# Allegro board BeagleBone_Black_RevB3_NO_LOGO.brd (continued)
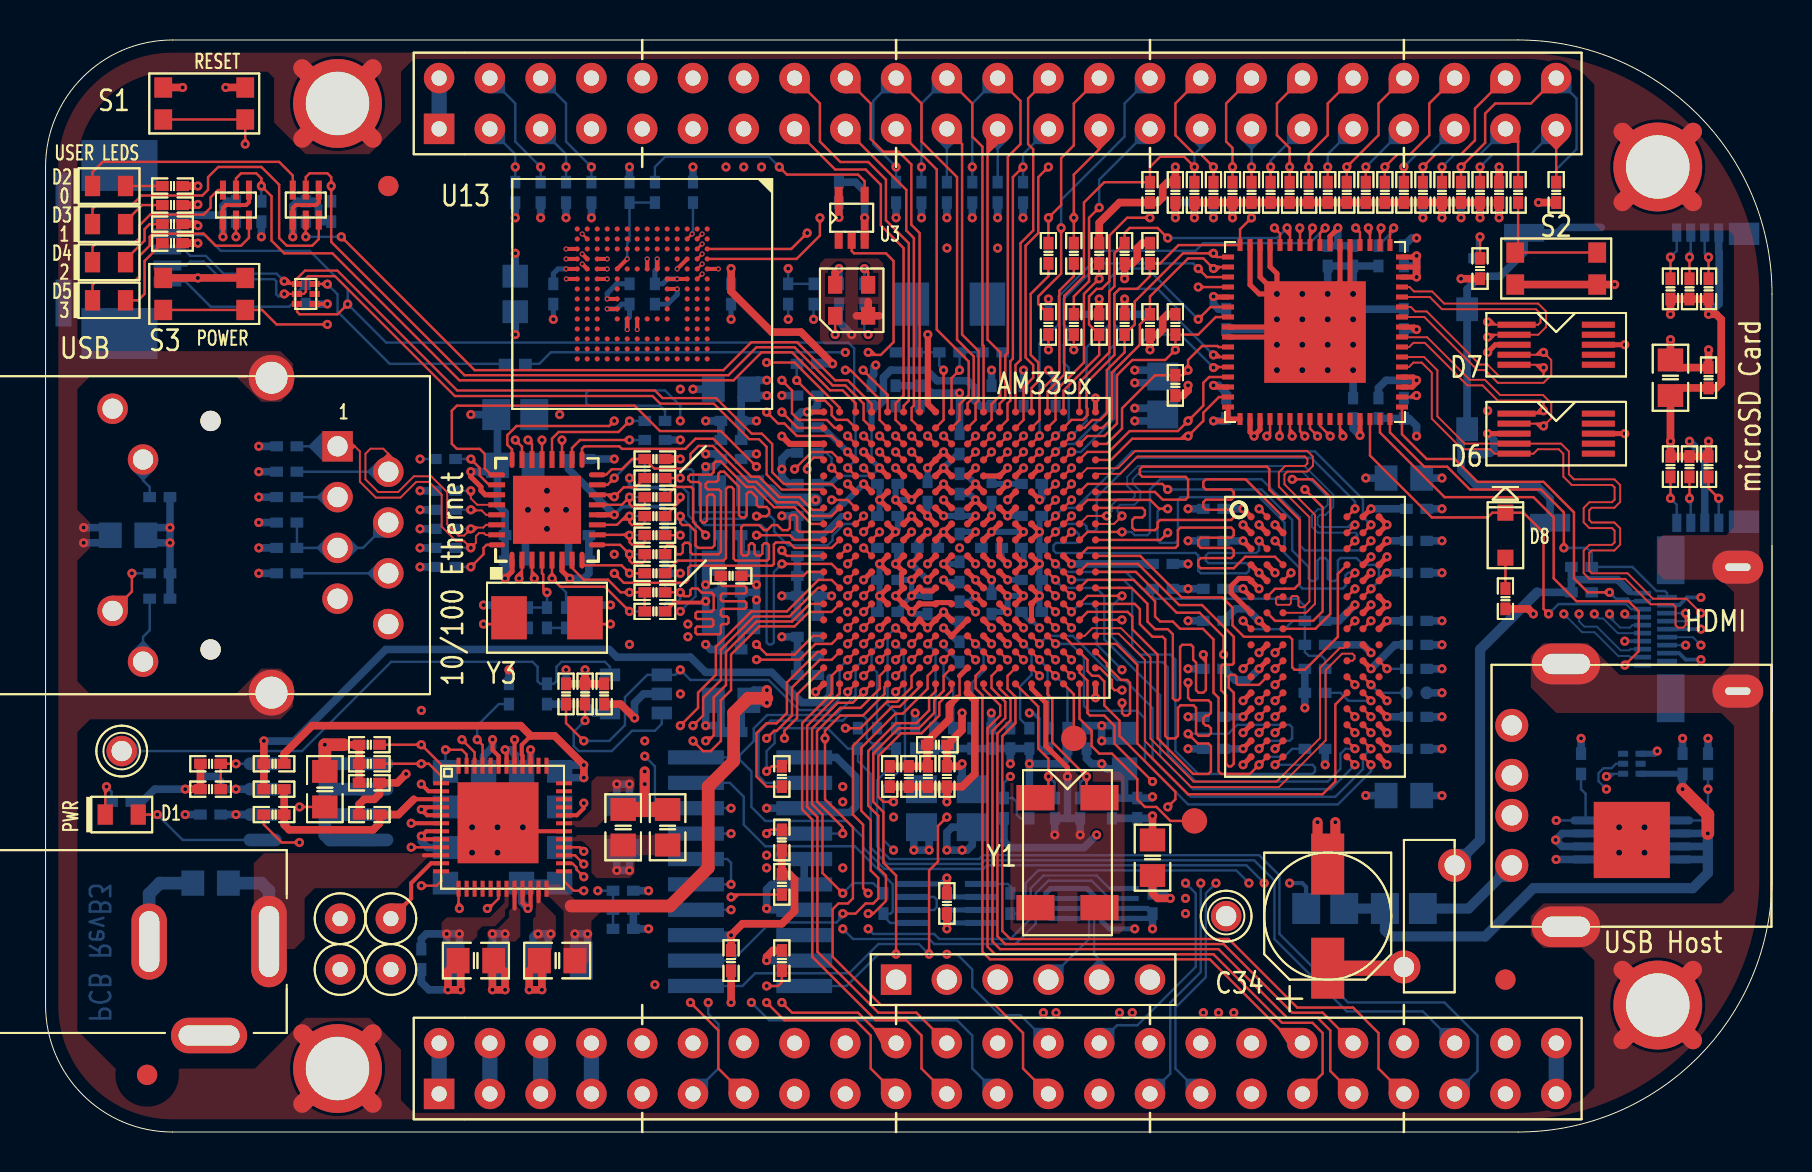
[diagram p0: board, top side]
## Nets (continued)
I2C0_SDA: R4.2 U2.27(SDA) U5.C17(I2C0_SDA/TIMER4/UART2_CTSN/ECAP) U7.3(SDA) U11.51(CSDA)
I2C1_SCL: P9.17(9) U5.A16(SPI0_CS0/MMC2_SDWP/I2C1_SCL/EHR)
I2C1_SDA: P9.18(34) U5.B16(SPI0_D1/MMC1_SDWP/I2C1_SDA/EHRP)
I2C2_SCL: P9.19(10) U5.D17(UART1_RTSN/TIMER5/DCAN0_RX/I2C2)
I2C2_SDA: P9.20(35) U5.D18(UART1_CTSN/TIMER6/DCAN0_TX/I2C2)
JTAG_EMU0: P2.13(EMU0) R23.2 U5.C14(EMU0/GPIO3_7)
JTAG_EMU1: P2.14(EMU1) R24.2 U5.B14(EMU1/GPIO3_8)
JTAG_TCK: P2.9(TCKRTN) P2.11(TCK) U5.A12(TCK)
JTAG_TDI: P2.3(TDI) U5.B11(TDI)
JTAG_TDO: P2.7(TDO) U5.A11(TDO)
JTAG_TMS: P2.1(TMS) U5.C11(TMS)
JTAG_TRSTN: P2.2(TRSTN) R25.1 U5.B10(NTRST)
LCD_DATA0: C173.1 P8.45(23) R70.2 R95.1 U5.R1(LCD_DATA0/GPMC_A0//EHRPWM2A//PR) U11.15(VPC3)
LCD_DATA1: C171.1 P8.46(48) R69.2 R94.1 U5.R2(LCD_DATA1/GPMC_A1//EHRPWM2B//PR) U11.13(VPC4)
LCD_DATA2: C172.1 P8.43(22) R68.2 R75.1 R93.1 U5.R3(LCD_DATA2/GPMC_A2//EHRPWM2_TRIP) U11.12(VPC5)
LCD_DATA3: C170.1 P8.44(47) R67.2 R92.1 U5.R4(LCD_DATA3/GPMC_A3//EHRPWM2_SYNC) U11.11(VPC6)
LCD_DATA4: C169.1 P8.41(21) R66.2 R91.1 U5.T1(LCD_DATA4/GPMC_A4//EQEP2A_IN//P) U11.10(VPC7)
LCD_DATA5: C163.1 P8.42(46) R65.2 R90.1 U5.T2(LCD_DATA5/GPMC_A5//EQEP2B_IN//P) U11.7(VPB2)
LCD_DATA6: C162.1 P8.39(20) R64.2 R89.1 U5.T3(LCD_DATA6/GPMC_A6/PR1_EDIO_DATA) U11.6(VPB3)
LCD_DATA7: C161.1 P8.40(45) R63.2 R88.1 U5.T4(LCD_DATA7/GPMC_A7/PR1_EDIO_DATA) U11.3(VPB4)
LCD_DATA8: C160.1 P8.37(19) R62.2 R87.1 U5.U1(LCD_DATA8/GPMC_A12/EHRPWM1_TRIP) U11.2(VPB5)
LCD_DATA9: C157.1 P8.38(44) R61.2 R86.1 U5.U2(LCD_DATA9/GPMC_A13/EHRPWM1_SYNC) U11.1(VPB6)
LCD_DATA10: C156.1 P8.36(43) R60.2 R85.1 U5.U3(LCD_DATA10/GPMC_A14/EHRPWM1A/MC) U11.64(VPB7)
LCD_DATA11: C168.1 P8.34(42) R59.2 R84.1 U5.U4(LCD_DATA11/GPMC_A15/EHRPWM1B/MC) U11.60(VPA3)
LCD_DATA12: C167.1 P8.35(18) R58.2 R83.1 U5.V2(LCD_DATA12/GPMC_A16/EQEP1A_IN/M) U11.59(VPA4)
LCD_DATA13: C166.1 P8.33(17) R57.2 R82.1 U5.V3(LCD_DATA13/GPMC_A17/EQEP1B_IN/M) U11.58(VPA5)
LCD_DATA14: C165.1 P8.31(16) R56.2 R81.1 U5.V4(LCD_DATA14/GPMC_A18/EQEP1_INDEX) U11.57(VPA6)
LCD_DATA15: C164.1 P8.32(41) R55.2 R80.1 U5.T5(LCD_DATA15/GPMC_A19/EQEP1_STROB) U11.56(VPA7)
LCD_DE: P8.30(40) R48.2 U11.20(DE/VREF)
LCD_HSYNC: P8.29(15) R47.2 U11.22(HSYNC/VREF)
LCD_PCLK: P8.28(39) R45.2 U11.4(PCLK)
LCD_VSYNC: P8.27(14) R46.2 U11.21(VSYNC/VREF)
LCDDE: R48.1 U5.R6(LCD_AC_BIAS_EN/GPMC_A11//PR1_ED)
LCDPCLK: R45.1 U5.V5(LCD_PCLK/GPMC_A10//PR1_EDIO_DAT)
LCDVHYNC: R47.1 U5.R5(LCD_HSYNC/GPMC_A9//PR1_EDIO_DAT)
LCDVSYNC: R46.1 U5.U5(LCD_VSYNC/GPMC_A8//PR1_EDIO_DAT)
LDO_PGOOD: U2.46(LDO_PGOOD) U5.B5(RTC_PORZN)
LEDAA: D2.2(A) R72.2
LEDAC: D2.1(C) Q1.6(3)
LEDBA: D3.2(A) R73.2
LEDBC: D3.1(C) Q1.3
LEDCA: D4.2(A) R74.2
LEDCC: D4.1(C) Q2.6(3)
LEDDA: D5.2(A) R71.2
LEDDC: D5.1(C) Q2.3
MDIO_CLK: U5.M18(MDIO_CLK/TIMER5/UART5_TXD/UART3) U14.17(MDC)
MDIO_DATA: R119.2 U5.M17(MDIO_DATA/TIMER6/UART5_RXD/UART) U14.16(MDIO)
MII1_COL: R138.1 U5.H16(GMII1_COL/RMII2_REFCLK/SPI1_SCL)
MII1_CRS_DV: R139.1 U5.H17(GMII1_CRS/RMII1_CRS_DV/SPI1_D0/)
MII1_REFCLK: R28.2 R124.1 R140.1
MII1_RXCLK: R131.1 U5.L18(GMII1_RXCLK/UART2_TXD/RGMII1_RC)
MII1_RXD0: R128.1 U5.M16(GMII1_RXD0/RMII1_RXD0/RGMII1_RD)
MII1_RXD1: R127.1 U5.L15(GMII1_RXD1/RMII1_RXD1/RGMII1_RD)
MII1_RXD2: R126.1 U5.L16(GMII1_RXD2/UART3_TXD/RGMII1_RD2)
MII1_RXD3: R125.1 U5.L17(GMII1_RXD3/UART3_RXD/RGMII1_RD3)
MII1_RXDV: R129.1 U5.J17(GMII1_RXDV/LCD_MEMORY_CLK/RGMII)
MII1_RXERR: R133.1 U5.J15(GMII1_RXERR/RMII1_RXERR/SPI1_D1)
MII1_TXCLK: R134.1 U5.K18(GMII1_TXCLK/UART2_RXD/RGMII1_TC)
MII1_TXD0: U5.K17(GMII1_TXD0/RMII1_TXD0/RGMII1_TD) U14.22(TXD0)
MII1_TXD1: U5.K16(GMII1_TXD1/RMII1_TXD1/RGMII1_TD) U14.23(TXD1)
MII1_TXD2: U5.K15(GMII1_TXD2/DCAN0_RX/RGMII1_TD2/) U14.24(TXD2)
MII1_TXD3: U5.J18(GMII1_TXD3/DCAN0_TX/RGMII1_TD3/) U14.25(TXD3)
MII1_TXEN: U5.J16(GMII1_TXEN/RMII1_TXEN/RGMII1_TC) U14.21(TXEN)
MMC0_CD: P2.19(EMU4) P10.10(CD) R157.1 U5.C15(SPI0_CS1/UART3_RXD/ECAP1_IN_PWM)
MMC0_CLKO: P10.5(CLOCK) R152.2 U5.G17(MMC0_CLK/GPMC_A24/UART3_CTSN/UA)
MMC0_CMD: P10.3(CMD) R151.2 U5.G18(MMC0_CMD/GPMC_A25/UART3_RTSN/UA)
MMC0_DAT0: P10.7(DAT0) R153.2 U5.G16(MMC0_DAT0/GPMC_A23/UART5_RTSN/U)
MMC0_DAT1: P10.8(DAT1) R154.2 U5.G15(MMC0_DAT1/GPMC_A22/UART5_CTSN/U)
MMC0_DAT2: P10.1(DAT2) R150.2 U5.F18(MMC0_DAT2/GPMC_A21/UART4_RTSN/T)
MMC0_DAT3: P10.2(CD/DAT3) R155.2 U5.F17(MMC0_DAT3/GPMC_A20/UART4_CTSN/T)
MMC1_CLK: P8.21(11) R110.2 U5.U9(GPMC_CSN1/GPMC_CLK/MMC1_CLK/PRT) U13.M6(CLK)
MMC1_CMD: P8.20(35) R109.2 U5.V9(GPMC_CSN2/GPMC_BE1N/MMC1_CMD/PR) U13.M5(CMD)
MMC1_DAT0: P8.25(13) R101.2 U5.U7(GPMC_AD0/MMC1_DAT0//////GPIO1_0) U13.A3(DAT0)
MMC1_DAT1: P8.24(37) R102.2 U5.V7(GPMC_AD1/MMC1_DAT1//////GPIO1_1) U13.A4(DAT1)
MMC1_DAT2: P8.5(3) R103.2 U5.R8(GPMC_AD2/MMC1_DAT2//////GPIO1_2) U13.A5(DAT2)
MMC1_DAT3: P8.6(28) R104.2 U5.T8(GPMC_AD3/MMC1_DAT3//////GPIO1_3) U13.B2(DAT3)
MMC1_DAT4: P8.23(12) R105.2 U5.U8(GPMC_AD4/MMC1_DAT4//////GPIO1_4) U13.B3(DAT4)
MMC1_DAT5: P8.22(36) R106.2 U5.V8(GPMC_AD5/MMC1_DAT5//////GPIO1_5) U13.B4(DAT5)
MMC1_DAT6: P8.3(2) R107.2 U5.R9(GPMC_AD6/MMC1_DAT6//////GPIO1_6) U13.B5(DAT6)
MMC1_DAT7: P8.4(27) R108.2 U5.T9(GPMC_AD7/MMC1_DAT7//////GPIO1_7) U13.B6(DAT7)
MODE2: R113.1 R138.2 U14.15(COL/CRS_DV/MODE2)
OSC0_IN: C25.1 R17.1 U5.V10(OSC0_IN) Y2.2
OSC0_OUT: C26.1 R17.2 U5.U11(OSC0_OUT) Y2.1
OSC1_IN: C21.2 U5.A6(OSC1_IN) Y1.1
OSC1_OUT: C22.2 U5.A4(OSC1_OUT) Y1.4
P_BYPASS: C4.2 U2.47(BYPASS)
P_INT_LDO: C3.2 U2.48(INT_LDO)
P_L1: L1.1 U2.20(L1)
P_L2: L2.1 U2.23(L2)
P_L3: L3.1 U2.31(L3)
PHY_VDDCR: C134.1 C136.1 U14.6(VDDCR)
PHY_XTAL1: C143.1 R141.2 R142.1 Y3.1
PHY_XTAL2: R141.1 R143.1 U14.4(XTAL2)
PHYX: C142.1 R143.2 Y3.2
PMIC_INT: R1.2 U2.45(INT) U5.B18(NNMI)
PMIC_PGOOD: U2.26(PGOOD) U5.B15(PORZN)
PMIC_POWR_EN: U2.9(PWR_EN) U5.C6(PMIC_POWER_EN)
PROC_A15: R18.1 U5.A15(EVENT_INTR0/TIMER4/CLKOUT1/SPI1)
PWR_BUT: P9.9(5) S3.2(B1) S3.4(B2) U2.25(PB_IN)
PWR_LEDR: D1.1(C) R12.2
RBIAS: R144.1 U14.32(RBIAS)
RCLKIN: R140.2 R142.2 U14.5(XTAL1/CLKIN)
REFCLKO: R118.1 R124.2 R131.2 U14.7(RXCLK/PHYAD1)
RXD0/MODE0: R112.1 R128.2 U14.11(RXD0/MODE0)
RXD1/MODE1: R114.1 R127.2 U14.10(RXD1/MODE1)
RXD2/RMIISEL: R117.1 R126.2 U14.9(RXD2/RMIISEL)
RXD3/PHYAD2: R116.1 R125.2 U14.8(RXD3/PHYAD2)
RXDV: R129.2 U14.26(RXDV)
RXER/PHYAD0: R115.1 R133.2 U14.13(RXER/RXD4/PHYAD0)
RXN: C138.1 P5.2(RD-) R121.1 U14.30(RXN)
RXP: C137.1 P5.1(RD+) R120.1 U14.31(RXP)
SPI1_CS0: P9.28(39) U5.C12(MCASP0_AHCLKR/EHRPWM0_SYNCI_O/M) U11.25(AP1)
SPI1_D0: P9.29(15) U5.B13(MCASP0_FSX/EHRPWM0B//SPI1_D0/MM) U11.24(AP0)
SPI1_D1: P9.30(40) U5.D12(MCASP0_AXR0/EHRPWM0_TRIPZONE_IN)
SPI1_SCLK: P9.31(16) U5.A13(MCASP0_ACLKX/EHRPWM0A//SPI1_SCL) U11.23(ACLK)
SYS_5V: C7.2 C8.2 C10.2 C13.2 C17.1 C34.1 P9.7(4) P9.8(29) R71.1 R72.1 R73.1 R74.1 RT1.1 U2.2(VINLDO) U2.7(SYS1) U2.8(SYS2) U2.21(VIN_DCDC1) U2.22(VIN_DCDC2) U2.32(VIN_DCDC3) U2.39(LDO3_IN) U2.42(LDO4_IN) U4.2(IN) U8.2(IN1) U8.3(IN2)
SYS_RESETN: C24.1 C30.1 P2.15(SRST) P9.10(30) R14.2 S1.2(B1) S1.4(B2) U5.A10(NRESET_INOUT) U14.19(NRST)
TCT_RCT: C141.1 P5.4(RCT) P5.5(TCT) R137.1
TESTOUT: TP3.1(TP) U5.A3(TESTOUT)
TIMER4: P8.7(4) U5.R7(GPMC_ADVN_ALE/TIMER4/GPIO2_2)
TIMER5: P8.9(5) U5.T6(GPMC_BE0N_CLE/TIMER5/GPIO2_5)
TIMER6: P8.10(30) U5.U6(GPMC_WEN/TIMER6/GPIO2_4)
TIMER7: P8.8(29) U5.T7(GPMC_OEN_REN/TIMER7/EMU4/GPIO2_)
TXCLK: R134.2 U14.20(TXCLK)
TXN: C140.1 P5.6(TD-) R123.1 U14.28(TXN)
TXP: C139.1 P5.3(TD+) R122.1 U14.29(TXP)
U5_H18: R28.1 U5.H18(RMII1_REFCLK/XDMA_EVENT_INTR2/S)
U5_R13: R160.1 U5.R13(GPMC_A0/GMII2_TXEN/RGMII2_TCTL/)
U5_T13: R161.1 U5.T13(GPMC_CSN3/MMC2_CMD/PR1_MDIO_DAT)
UART0_RX: U5.E15(UART0_RXD/SPI1_CS0/DCAN0_TX/I2C) U15.6(1Y)
UART0_TX: U5.E16(UART0_TXD/SPI1_CS1/DCAN0_RX/I2C) U15.5(2A)
UART1_RXD: P9.26(38) U5.D16(UART1_RXD/MMC1_SDWP/DCAN1_TX/I2)
UART1_TXD: P9.24(37) U5.D15(UART1_TXD/MMC2_SDWP/DCAN1_RX/I2)
UART2_RXD: P9.22(36) U5.A17(SPI0_SCLK/UART2_RXD/I2C2_SDA/EH)
UART2_TXD: P9.21(11) U5.B17(SPI0_D0/UART2_TXD/I2C2_SCL/EHRP)
UART4_RXD: P9.11(6) U5.T17(GPMC_WAIT0/GM112_CRS/GPMC_CSN4/)
UART4_TXD: P9.13(7) U5.U17(GPMC_WPN/GMII2_RXERR/GPMC_CSN5/)
USB0_DM: P4.2(D-) U5.N18(USB0_DM) U10.2(D-)
USB0_DP: P4.3(D+) U5.N17(USB0_DP) U10.1(D+)
USB0_ID: P4.4(ID) U5.P16(USB0_ID) U10.3(ID)
USB1_DM: P3.2(P2) U5.R18(USB1_DM) U9.2(D-)
USB1_DP: P3.3(P3) U5.R17(USB1_DP) U9.1(D+)
USB1_DRVVBUS: R53.1 U5.F15(USB1_DRVVBUS/GPIO3_13) U8.4(EN)
USB1_ID: R49.2 U5.P17(USB1_ID)
USB1_OCN: R52.2 U5.T16(GPMC_A10/GMII2_RXD1/RGMII2_RD1/) U8.5(O\C\)
USB1_PWR: C35.1 FB7.1 FB8.2 U8.6(OUT3) U8.7(OUT2) U8.8(OUT1) U9.6(VBUS)
USB1_VBUS: FB8.1 U5.T18(USB1_VBUS)
USB_DC: C1.2 C36.1 P4.1(VB) R159.1 U2.12(USB) U10.6(VBUS)
USR0: Q1.2(5) R76.1 U5.V15(GPMC_A5/GMII2_TXD0/RGMII2_TD0/R)
USR1: Q1.5 R77.1 U5.U15(GPMC_A6/GMII2_TXCLK/RGMII2_TCLK)
USR2: Q2.2(5) R78.1 U5.T15(GPMC_A7/GMII2_RXCLK/RGMII2_RCLK)
USR3: Q2.5 R79.1 U5.V16(GPMC_A8/GMII2_RXD3/RGMII2_RD3/M)
VDCDC1: L1.2 R6.1 U2.19(VDCDC1)
VIO: R7.2 U2.18(VIO)
VLDO1: R5.1 R7.1 R8.1 U2.3(VLDO1)
VREFP_ADC: C31.1 C32.1 C33.1 R27.2 U5.B9(VREFP)
VRTC: C16.1 C105.1 R5.2 R26.1 U5.D7(VDDS_RTC)
WAKEUP: R26.2 U2.13(WAKEUP) U5.C5(EXT_WAKEUP)
WP: R156.2 TP4.1(TP) U7.5(WP)
XDMA_EVENT_INTR0: P2.17(EMU2) R18.2 U6.1(CLK)
YEL_C: P5.11(YELC) R130.2
YELA: P5.12(YELA) R135.1 U14.2(LED2/NINTSEL)
ZQ: R99.2 U12.L8(ZQ)
N21667305: R149.1 U11.49(TEST)
N21757673: C19.1 R10.1 R11.2 U4.4(ADJ)
N21769115: R75.2 S2.1(A1) S2.3(A2)
N22155575: R159.2 U5.P15(USB0_VBUS)
N22248684: R167.1 Y4.3(CLK)
N22248838: R21.1 U6.5(Q)
N22287501: R162.1 U3.4(Y)
N22287555: U3.2(A) U5.R14(GPMC_A4/GMII2_TXD1/RGMII2_TD1/R)
N22420400: TP5.1(TP) U2.4(BAT1) U2.5(BAT2)
N22420444: TP6.1(TP) U2.6(BAT_SENSE)
N22420447: TP7.1(TP) U2.11(TS)

Pads without a net: D6 6 7 9 10; D7 6 7 9 10; J1 2 3 6; NOREF#7 1; NOREF#14 1; NOREF#22 1; NOREF#26 1; NOREF#27 1; NOREF#29 1; P1 3; P2 6; P5 7; P6 2; U2 14 15 16 17 33 34 35 36 37 38 44; U3 1; U5 E17 E18 F16 M5 M15 P18; U9 3 5; U10 5; U11 26 28; U12 J1 J9 L1 L9; U13 A1 A2 A6 A7 A8 A9 A10 A11 A12 A13 A14 B1 B7 B8 B9 B10 B11 B12 B13 B14 C1 C3 C5 C7 C8 C9 C10 C11 C12 C13 C14 D1 D2 D3 D4 D12 D13 D14 E1 E2 E3 E5 E8 E9 E10 E12 E13 E14 F1 F2 F3 F10 F12 F13 F14 G1 G2 G3 G10 G12 G13 G14 H1 H2 H3 H5 H12 H13 H14 J1 J2 J3 J5 J12 J13 J14 K1 K2 K3 K6 K7 K10 K12 K13 K14 L1 L2 L3 L12 L13 L14 M1 M2 M3 M7 M8 M9 M10 M11 M12 M13 M14 N1 N3 N6 N7 N8 N9 N10 N11 N12 N13 N14 P1 P2 P7 P8 P9 P10 P11 P12 P13 P14; Y1 2 3

## Via types
v1: diameter 0.457, hole 0.203, TOP to BOTTOM, 794 vias
v2: diameter 0.254, hole 0.152, TOP to BOTTOM, 27 vias
v3: diameter 0.559, hole 0.305, TOP to BOTTOM, 30 vias

## Routing (per net, layer and track width the routed paths; a pad name or vN(x,y) marks a point on that pad's centre or on a via; arc(x,y) is an arc through that point)
DGND: length 478.6
  TOP w0.121: U13.N2 v2(26.85,44.91)
  TOP w0.191: U10.4 v1(14.1,41.41) ; R118.2 31.43,26.48 32.95,26.48 v1(33.02,26.54)
  TOP w0.203: Q1.4 13.67,46.5 13.53,46.35 12.51,46.35 12.37,46.21 Q1.1 v1(12.37,44.77) ; U13.P6 v2(26.05,42.66) ; U13.K8 v2(28.09,41.66) ; U13.C4 v2(31.6,43.16) ; v1(8.88,44.77) Q2.1 8.88,46.21 9.02,46.35 10.03,46.35 10.17,46.5 Q2.4 ; U2.41 v1(23.46,19.62) ; U13.H10 v2(29.6,40.13) ; U13.E7 v2(31.6,42.16) ; v2(26.04,43.66) U13.P4 ; U2.30 24.46,15.04 24.26,15.24 v3(23.88,15.24) ; U13.N5 v2(26.85,43.41) ; U13.G5 v2(30.09,43.66)
  TOP w0.254: U12.D1 v1(60.7,27.97) U12.E2 ; U5.N10 v1(44.92,32.41) U5.N11 ; v1(66.3,27.97) U12.E8 ; U5.H9 v1(46.52,27.61) U5.G8 ; U5.K7 U5.J7 v1(48.12,28.41) ; U11.19 60.75,35.12 60.45,34.82 v1(60.45,34.8) 60.25,35 U11.18 ; U5.N14 v1(41.72,31.61) U5.M14 ; v1(67.1,19.96) U12.P9 ; v1(67.1,21.56) U12.M9 ; U11.63 60.25,42.37 60.71,41.91 v3(61.59,41.91) ; D7.3 72.52,39.37 v1(72.14,38.99) ; v1(47.32,27.61) U5.H8 ; U5.G9 v1(46.52,26.81) U5.F8 ; v1(61.5,30.37) U12.B3 ; v3(65.41,41.91) 65.25,42.06 U11.53 ; v1(43.32,26.81) U5.G12 43.88,27.05 44.36,27.05 U5.G11 ; U5.H6 v1(48.92,28.41) U5.J6 ; U5.H10 v1(44.92,28.41) U5.J10 ; v1(60.7,23.96) U12.J2 ; v3(61.59,40.64) 61.21,40.25 U11.8 ; U12.A9 v1(67.1,30.37) U12.B9 ; U11.16 59.15,35.65 ; 59.15,35.65 59.05,35.56 v1(58.42,35.56) ; 59.15,35.65 U11.17 ; U5.M7 v1(48.12,30.81) U5.M6 ; U5.L11 v1(44.12,30.81) U5.M12 ; v1(44.92,30.01) U5.K10 ; v1(44.92,30.01) U5.L10 ; v1(44.92,30.01) U5.K11 ; v3(61.59,41.91) 61.59,42.93 61.25,43.27 U11.61 ; v3(61.59,41.91) 60.75,42.76 U11.62 ; U11.54 64.75,42.52 v3(64.14,41.91) ; v1(59.9,21.56) U12.M1 ; v1(59.9,19.96) U12.P1 ; v1(66.3,26.37) U12.G8 ; D6.3 v1(72.14,34.92) ; v1(66.3,28.77) U12.D8 ; v1(46.52,30.01) U5.K9 ; U5.L13 v1(43.32,30.81) U5.L12 ; v1(66.3,23.96) U12.J8 ; U5.A18 v1(38.52,22.01) ; v1(59.9,18.36) U12.T1 ; v1(44.92,31.61) U5.M10 ; v3(61.59,39.37) 61.21,39.76 U11.9 ; v1(48.12,32.41) U5.N7 ; v1(43.32,27.61) U5.H12 ; v1(59.9,30.37) U12.B1 ; U5.V1 v1(52.52,36.7) ; v1(46.52,28.41) U5.J9 ; U5.M8 v1(46.52,31.61) U5.M9 ; U12.G1 59.31,26.96 59.31,27.3 59.69,27.69 60.18,27.69 U12.E1 v1(60.7,27.17) ; v1(67.1,18.36) U12.T9 ; D7.8 v1(78.99,39.37) ; v1(47.32,28.41) U5.J8 ; U5.V18 v1(38.1,36.01) ; U5.A1 v1(52.52,21.72) ; U5.H7 v1(48.12,27.61) ; U5.J11 v1(44.12,28.41) ; U12.G9 v1(67.1,26.37) U12.F9 ; D6.8 v1(78.99,34.92)
  TOP w0.381: S1.3 v1(6.86,52.24) ; S1.1 v1(9.02,52.24) ; C27.2 v1(45.09,12.7) ; v1(56.52,48.26) C57.1 56.13,47.5 55.88,47.24 55.88,46.74 55.63,46.48 C165.2 53.72,46.48 52.7,45.47 C168.2 ; C169.2 56.9,36.83 57.15,37.08 v1(57.15,37.34) ; v1(81.28,39.62) C153.2 81.66,38.23 C154.2 v1(83.19,39.12) ; v1(56.26,11.68) 55.63,11.68 C155.1 C96.1 ; C19.2 R10.2 v1(6.99,17.14) ; Y4.2 41.71,40.82 ; Y4.2 40.56,40.82 ; Y4.2 41.15,41.53 ; S2.4 S2.2 v1(78.49,42.38) ; 14.92,19.37 C3.1 C18.2 C16.2 ; v1(57.47,45.72) R81.2 R80.2 R84.2 ; R93.2 R94.2 R95.2 v1(71.75,45.72) ; R93.2 R92.2 R91.2 R90.2 R89.2 R88.2 R87.2 R86.2 R85.2 R83.2 R82.2 R84.2 ; R93.2 v1(69.85,45.72) ; R84.2 v1(59.37,45.72) ; U3.3 v1(40.97,45.72) ; C166.2 v1(52.7,41.66) ; C61.1 v1(72.71,48.26) ; v1(34.29,6.48) C29.2 ; C173.2 v1(74.68,46.48) ; v1(53.98,41.66) C157.2 ; v1(36.07,8.57) 36.07,8.76 36.39,9.08 R25.2 ; S3.3 v1(7.62,42.71) S3.1 ; v1(55.24,39.12) C160.2 55.63,39.88 55.88,40.13 55.88,40.64 56.13,40.89 C163.2 ; C37.2 28.77,21.4 v1(29.46,20.7) ; C156.2 54.86,44.45 54.61,44.2 54.61,43.69 54.36,43.43 C167.2 v1(53.98,42.67) ; v1(24.19,7.11) 24.19,8.06 C12.1 24.83,8.45 v1(24.83,7.11) v1(24.19,7.11) ; 22.99,8 C9.1 22.35,8.51 v1(22.35,7.11) v1(22.99,7.11) 22.99,8
  TOP w0.508: 29.97,16.13 v1(29.97,17.4) v1(29.97,18.03) ; v1(64.52,15.49) 64.52,13.78 C34.2 63.63,13.91 v1(63.63,15.49)
  TOP w0.635: C1.1 v1(13.97,19.37) 14.92,19.37
  TOP w0.762: C55.1 C11.1
  LYR2_GND w0.889: 74.83,2.64 P9.45 76.3,2.64 ; 74.83,3.71 P9.46 ; P9.46 76.3,5.18 ; P9.46 74.83,5.18 ; P9.46 76.3,3.71 ; 18.95,5.18 P9.2 ; P9.2 20.42,3.71 ; P9.2 20.42,5.18 ; P9.2 18.95,3.71 ; 4.09,9.53 P1.2 ; P1.2 5.18,7.42 ; P1.2 6.27,9.53 ; P1.2 5.18,11.63 ; 73.76,2.64 P9.43 72.29,2.64 ; 16.54,8.86 TP8.1 ; TP8.1 18.01,7.39 ; TP8.1 18.01,8.86 ; TP8.1 16.54,7.39 ; P5.8 17.88,26.13 ; P5.8 17.88,24.67 ; P5.8 16.41,24.67 ; P5.8 16.41,26.13 ; P8.1 20.65,51.13 ; P8.1 18.72,49.2 ; P8.1 18.72,51.13 ; P8.1 20.65,49.2 ; TP1.1 59.79,10.06 ; TP1.1 59.79,11.53 ; TP1.1 58.32,11.53 ; TP1.1 58.32,10.06 ; P3.4 74.12,19.56 ; P3.4 74.12,21.11 ; P3.4 72.56,21.11 ; P3.4 72.56,19.56 ; P9.44 73.76,3.71 ; P9.44 73.76,5.18 ; P9.44 72.29,5.18 ; P9.44 72.29,3.71 ; 18.72,2.87 P9.1 20.65,2.87 ; 18.95,51.97 P8.2 20.42,51.97 ; 41.58,6.65 J1.1 ; J1.1 43.51,6.65 ; J1.1 41.58,8.59
  BOTTOM w0.191: P6.13 79.16,25.75 v1(78.99,25.91) ; v1(82.8,26.73) 82.11,26.73 81.72,26.35 P6.16 ; R115.2 30.99,32.1 30.86,32.23 29.34,32.23 29.21,32.35 v1(29.21,32.7) ; v1(82.8,23.62) 82.04,23.62 81.72,23.95 P6.4 ; v1(44.92,24.41) 44.92,24.3 45.71,23.5 C88.2 ; P6.10 v1(82.8,25.15) ; P6.7 v1(78.99,24.55)
  BOTTOM w0.203: v1(49.72,25.21) 49.43,25.5 49.26,25.5 48.81,25.94 C100.2
  BOTTOM w0.254: U15.1 50.28,10.68 50.04,10.92 50.04,11.94 50.28,12.18 U15.4 52.08,12.18 52.83,11.43 52.83,10.54 53.21,10.16 v1(54.48,10.16) ; v1(45.09,12.7) 44.79,12.41 U6.4 ; C127.2 v1(25.4,40.64) ; v1(56.26,11.68) 56.01,11.94 C155.1 ; v2(28.09,41.66) 28.09,41.94 28.57,42.42 C128.2 ; C130.2 v1(34.29,40.64) ; v2(31.6,42.16) 31.6,41.88 31.11,41.4 C129.2 ; C70.1 42.63,26.12 v1(43.32,26.81) v1(43.32,27.61)
  BOTTOM w0.305: v1(48.92,28.41) 48.92,29.1 C98.2 ; C42.2 46.23,31.9 v1(46.52,31.61) ; v1(46.52,30.01) 45.83,30.01 C47.2 ; C46.2 44.63,29.72 v1(44.92,30.01) ; U9.4 80.48,18.91 v1(80.62,19.05) ; v1(48.12,28.41) 47.83,28.7 C48.2 ; C60.1 v1(43.32,27.61) ; C49.2 45.58,28.41 v1(44.92,28.41) ; C66.2 41.72,30.92 v1(41.72,31.61) 41.72,32.3 C41.2 ; C73.1 v1(48.12,32.41) 47.43,32.41 C43.2 ; C63.2 44.01,26.81 v1(43.32,26.81) ; C50.2 v1(47.32,27.61) ; C94.2 v1(44.12,30.81) ; C72.1 46.23,26.52 v1(46.52,26.81) ; v1(48.12,30.81) C97.2 ; C99.2 v1(48.12,27.61)
  BOTTOM w0.381: C138.2 v1(10.67,33.02) ; v1(14.1,41.41) 14.09,41.4 C36.2 ; v1(28.26,26.35) 27.11,26.35 C143.2 ; C133.1 24.38,32.45 24.77,32.07 v3(25.08,32.07) ; C52.2 33.78,28.07 C40.1 ; C52.2 33.02,26.99 ; C52.2 33.78,25.91 C39.1 ; C71.1 38.61,36.32 38.3,36.01 v1(38.1,36.01) 37.81,36.01 37.61,35.81 C86.2 ; C173.2 v1(74.68,46.48) ; v1(62.99,21.21) C124.2 R100.2 ; 33.02,26.99 v1(33.02,27.37) 33.02,28.07 C40.1 ; 33.02,26.99 v1(33.02,26.54) 33.02,25.91 C39.1 ; v3(24.13,31.11) 24,30.99 C132.2 ; C54.2 C44.2 ; C54.2 C79.2 C69.1 ; C54.2 v1(36.83,26.81) ; R132.1 v1(6.22,30.23) ; v1(6.22,30.23) 5.4,30.23 R136.1 5.4,29.46 v1(6.22,29.46) ; v1(6.22,30.23) v1(6.22,29.46) ; v3(65.41,40.64) 65.91,41.15 C150.2 ; v1(49.21,18.41) C104.2 C92.2 ; v1(49.21,18.41) 50.87,18.41 51.12,18.66 R54.1 ; v1(49.21,18.41) R164.2 ; C158.2 40.51,47.5 40.97,47.04 v1(40.97,45.72) ; P2.8 36.13,11.11 v1(36.07,11.18) 36.07,12.13 36.32,12.38 P2.10 P2.12 ; C61.1 v1(72.71,48.26) ; v3(61.59,40.64) 61.09,40.13 C144.2 ; v1(35.56,33.91) 35.05,33.91 C78.2 ; v1(53.98,41.66) C157.2 C172.2 ; C58.2 C106.2 43.96,37.32 44.32,36.96 v1(45.72,36.96) C56.1 ; C149.2 68.33,44.7 v1(68.58,44.7) ; 53.98,16.7 C95.1 53.09,18.16 v1(52.83,18.41) 52.32,18.41 52.07,18.67 C101.2 ; 53.98,16.7 C103.2 55.31,16.7 v1(55.37,16.76) ; 53.98,16.7 C102.2 ; 8.88,45.86 8.88,46.32 9.1,46.55 R78.2 ; 8.88,45.86 v1(8.88,44.77) ; 8.88,45.86 7.23,45.86 7.11,45.73 P4.5 ; R99.1 v1(69.85,21.96) ; C40.1 33.78,28.83 C51.2 ; 65.41,43.31 v3(65.41,41.91) ; 65.41,43.31 64.14,43.31 v3(64.14,41.91) ; 65.41,43.31 66.67,43.31 ; 33.78,20.33 33.78,21.21 C62.1 33.02,21.21 33.02,20.33 ; 33.78,20.33 C64.2 ; 33.78,20.33 33.02,20.33 ; R96.1 v1(69.85,23.16) ; C119.2 v1(69.85,24.36) ; C111.2 v1(57.15,23.16) ; P10.6 83,33.78 v1(82.23,34.54) ; C74.1 50.52,37.74 v1(50.16,38.1) ; v1(36.83,24.77) C82.2 C83.2 C85.2 ; C142.2 23.05,26.35 v1(21.91,26.35) ; C107.2 v1(57.15,31.17) ; C118.1 v1(69.85,32.7) ; C139.2 v1(10.67,31.75) ; C39.1 33.78,25.15 C53.2 33.27,24.13 v1(33.02,24.38) ; C35.2 v1(81.89,19.68) ; C57.1 v1(56.52,48.26) ; v1(41.53,38.35) 41.42,38.25 41.42,37.88 41.32,37.78 C80.2 ; C110.2 v1(57.15,25.57) ; R22.1 v1(57.15,28.41) ; C24.2 C30.2 v1(30.16,10.16) ; C126.1 v1(23.5,39.88) ; 33.02,20.33 v1(33.02,20.32) ; R145.2 v1(31.75,34.61) ; C159.2 39.69,40.51 v1(40.32,39.88) ; v1(29.46,20.7) 29.46,21.46 29.91,21.91 U7.2 ; C132.2 24.77,29.84 v3(25.08,30.16) 25.4,29.84 C136.2 C134.2 ; C132.2 C131.2 ; U8.1 v1(75.56,13.63) ; C123.2 U12.J8 v1(66.3,23.96) ; C115.2 v1(69.85,29.57) ; v1(52.7,41.66) C166.2 C161.2 ; C84.2 37.19,32.41 36.83,32.77 v1(36.83,33.15) 36.83,33.66 37.15,33.97 R49.1 ; R10.2 v1(6.99,17.14) 5.46,17.14 4.83,16.51 R12.1 ; C121.2 v1(69.85,19.16) ; C113.2 v1(57.15,19.16) ; C108.2 v1(57.15,29.57) ; C92.2 C105.2 C89.2 C91.2 C90.2 C59.2 ; C92.2 v1(48.26,18.41) ; C120.2 v1(69.85,20.76) ; v1(12.37,44.77) 12.37,46.32 12.6,46.55 R76.2 13.4,46.55 13.65,46.29 13.65,45.78 13.9,45.53 R77.2 ; v1(6.22,29.46) R130.1 R135.2 ; C151.2 R148.2 68.2,35.69 68.58,35.31 v1(68.58,34.8) ; C137.2 v1(10.67,34.29) ; v1(32.38,37.15) C77.2 ; v1(36.07,16.19) P2.16 38.01,16.13 39.35,16.13 39.5,15.98 40.24,15.98 40.53,16.27 40.53,17.76 39.56,18.73 P2.20 ; C45.2 C87.2 v1(36.83,30.81) ; R53.2 v1(76.81,19.68) ; C109.2 v1(57.15,27.17) C28.2 ; R144.2 v1(18.73,28.26) ; v1(33.02,35.56) C67.2 C38.2 ; C147.2 v3(65.41,38.1) ; C114.2 v1(69.85,31.17) ; R117.2 R116.2 v1(31.75,27.94) ; C145.2 58.93,35.56 v1(58.42,35.56) ; C116.2 v1(69.85,27.97) ; C112.2 v1(57.15,20.76) ; C152.2 v1(26.04,23.11) ; C141.2 v1(10.67,30.48) ; C17.2 v1(6.99,15.88) ; P10.9 72.26,33.94 72.44,34.12 72.44,34.62 v1(72.14,34.92) ; v1(10.79,44.77) R79.2 ; C135.2 v1(28.45,33.66) ; v1(47.32,38.1) C81.2 ; C125.2 v1(32.38,48.26) ; C122.1 69.84,16.83 v1(69.85,16.82) ; P2.4 v1(36.07,8.57) ; C117.2 v1(69.85,25.57) ; C140.2 v1(10.67,27.94) ; C68.1 v1(48.92,38.1) ; C164.2 v1(50.16,41.66) ; v1(44.2,14.1) v1(43.43,14.1) 43.43,14.86 FB3.2 44.2,14.86 v1(44.2,14.1)
  BOTTOM w0.635: v1(13.97,19.37) 13.97,18.41 ; 13.97,18.41 U4.5 ; 13.97,18.41 13.97,17.14 ; 13.97,17.14 13.97,15.88 ; 13.97,17.14 16.45,17.14 ; C2.1 5.71,12.45 5.18,11.91 P1.2 ; 13.97,15.88 13.97,14.86 14.22,14.61 16.45,14.61 ; 13.97,15.88 U4.7
  BOTTOM w0.762: P9.1 P9.2 ; P9.45 P9.46 ; P8.1 P8.2
  vias: v1(30.48,7.37) v3(21.34,15.24) v3(21.34,13.97) v3(22.61,15.24) v3(22.61,13.97) v3(25.08,31.11) v3(26.04,31.11) v3(61.59,38.1) v3(62.87,41.91) v3(62.87,40.64) v3(62.87,39.37) v3(62.87,38.1) v3(64.14,40.64) v3(64.14,39.37) v3(64.14,38.1) v3(65.41,39.37) v3(78.71,15.24) v3(78.71,13.97) v3(79.98,15.24) v3(79.98,13.97)
GND_EARTH: length 186.9
  TOP w0.889: 78.88,4.58 MTG2.1 ; MTG2.1 82.41,8.12 ; MTG2.1 78.88,8.12 ; MTG2.1 82.41,4.58 ; 12.84,49.67 MTG3.1 ; MTG3.1 12.84,53.2 ; MTG3.1 16.37,53.2 ; MTG3.1 16.37,49.67 ; 78.88,46.49 MTG4.1 ; MTG4.1 82.41,46.49 ; MTG4.1 78.88,50.03 ; MTG4.1 82.41,50.03 ; MTG1.1 16.37,1.41 ; MTG1.1 12.84,1.41 ; MTG1.1 12.84,4.94 ; MTG1.1 16.37,4.94
  LYR2_GND w0.889: 12.84,49.67 MTG3.1 ; MTG3.1 16.37,53.2 ; MTG3.1 12.84,53.2 ; MTG3.1 16.37,49.67 ; 78.88,8.12 MTG2.1 ; MTG2.1 82.41,8.12 ; MTG2.1 82.41,4.58 ; MTG2.1 78.88,4.58 ; MTG4.1 82.41,46.49 ; MTG4.1 78.88,50.03 ; MTG4.1 78.88,46.49 ; MTG4.1 82.41,50.03 ; MTG1.1 16.37,1.41 ; MTG1.1 12.84,4.94 ; MTG1.1 16.37,4.94 ; MTG1.1 12.84,1.41
  LYR5_PWR w0.889: MTG4.1 82.41,46.49 ; MTG4.1 78.88,50.03 ; MTG4.1 78.88,46.49 ; MTG4.1 82.41,50.03 ; 12.84,49.67 MTG3.1 ; MTG3.1 12.84,53.2 ; MTG3.1 16.37,53.2 ; MTG3.1 16.37,49.67 ; 12.84,4.94 MTG1.1 ; MTG1.1 12.84,1.41 ; MTG1.1 16.37,4.94 ; MTG1.1 16.37,1.41 ; MTG2.1 82.41,4.58 ; MTG2.1 78.88,4.58 ; MTG2.1 82.41,8.12 ; MTG2.1 78.88,8.12
  BOTTOM w0.381: P10.12 75.26,31.67 74.68,32.26 71.63,32.26 70.8,33.08 70.8,34.86 71.09,35.14 P10.16 P10.15 71.11,42.15 71.75,42.8 72.76,42.8 73.96,44 P10.11 75.64,44.97 75.91,45.24 77.82,45.24 ; v1(1.91,30.23) 2.86,30.23 R136.2 2.86,29.46 v1(1.91,29.46)
  BOTTOM w0.889: MTG2.1 82.41,8.12 ; MTG2.1 82.41,4.58 ; MTG2.1 78.88,8.12 ; MTG2.1 78.88,4.58 ; 12.84,4.94 MTG1.1 ; MTG1.1 16.37,4.94 ; MTG1.1 16.37,1.41 ; MTG1.1 12.84,1.41 ; MTG4.1 82.41,50.03 ; MTG4.1 78.88,50.03 ; MTG4.1 78.88,46.49 ; MTG4.1 82.41,46.49 ; MTG3.1 16.37,53.2 ; MTG3.1 16.37,49.67 ; MTG3.1 12.84,53.2 ; MTG3.1 12.84,49.67
GND_OSC0: length 4
  TOP w0.305: v1(44.13,39.88) 44.13,36.4 U5.V11
GND_OSC1: length 10.4
  TOP w0.254: U5.A5 49.32,22.18 50.04,21.46 50.04,19.3 51.12,18.22 v1(51.12,17.78)
  BOTTOM w0.381: v1(50.48,14.86) C21.1 51.12,15.68 ; 51.12,15.68 C22.1 v1(51.75,14.86) ; 51.12,15.68 v1(51.12,17.78)
GNDA_ADC: length 46.8
  TOP w0.254: v1(47.32,25.21) U5.E8
  TOP w0.305: 46.12,21.97 U5.A9
  TOP w0.381: C32.2 C31.2 C33.2 C93.2 ; 46.12,21.97 46.12,21.95 46.48,21.59 46.48,17.91 45.85,17.27 C93.2 ; C93.2 v1(45.09,16.51)
  LYR4 w0.381: v1(47.32,25.21) 46.29,25.21 45.85,24.77 45.85,23.24 46.48,22.61 46.48,20.32 45.09,18.92 v1(45.09,16.51) 46.1,16.51 53.85,8.76 55.88,8.76 56.52,8.13 56.52,3.94 57.28,3.17 59.05,3.17 P9.34
  BOTTOM w0.381: FB3.1 44.84,17.14 45.09,16.89 v1(45.09,16.51)
VBUS: length 5.3
  BOTTOM w0.508: FB7.2 71.18,11.18 P3.1
VDD_1V8: length 39.8
  TOP w0.203: 24.27,19.81 23.82,19.36 23.82,18.87 23.86,18.83 U2.40
  TOP w0.254: U5.E9 U5.D10 v1(44.92,25.21) ; v1(40.12,32.41) U5.N16 ; v1(40.12,34.01) U5.R16
  TOP w0.381: v1(26.92,17.72) v1(26.92,18.35) 25.46,19.81 24.27,19.81 23.77,20.32 13.34,20.32 11.94,18.92 R9.2
  LYR3 w0.381: v1(26.92,17.72) v1(26.92,18.35)
  BOTTOM w0.305: v1(44.92,25.21) 45.61,24.52 C88.1 ; C86.1 38.89,35.24 v1(40.12,34.01)
  BOTTOM w0.381: v1(54.48,36.2) 55.57,36.2 FB5.2 55.56,35.56 v1(54.48,35.56) ; FB1.1 33.02,32.39 v1(33.02,33.27) 33.4,33.27 C78.1 33.53,33.91 v1(33.02,33.91) ; 26.04,18.35 C14.2 26.04,17.72 v1(26.92,17.72) v1(26.92,18.35) 26.04,18.35 ; v1(45.85,14.1) v1(45.09,14.1) 45.09,14.99 45.34,15.24 FB2.2 46.35,14.35 46.1,14.1 v1(45.85,14.1)
VDD_3V3A: length 111
  TOP w0.203: v1(22.36,19.62) 22.36,19.11 22.66,18.81 U2.43
  TOP w0.254: U5.P5 v1(49.72,33.21) ; U5.L14 v1(42.52,30.01) U5.K14 ; U5.N5 v1(49.72,31.61) ; U5.G14 v1(41.72,26.81) U5.F14 ; U5.P8 U5.P7 v1(48.12,33.21) ; v1(40.92,34.01) U5.R15 ; U5.P12 v1(43.32,33.21) ; U5.P6 v1(48.92,33.21) ; U5.E13 v1(43.32,25.21) U5.E12 v1(44.12,25.21) U5.E11 v1(44.92,26.01) U5.E10 ; U5.J14 v1(41.72,28.41) U5.H14 ; U5.P13 v1(42.52,33.21) ; v1(40.92,32.41) U5.N15 ; U5.P10 v1(44.92,33.21) U5.P11
  TOP w0.381: Y4.4 39.5,42.99 v1(39.69,43.18) ; v1(39.69,45.73) 39.67,45.75 U3.5 ; C27.1 v1(45.09,10.16) ; R3.1 R4.1 ; R4.1 v1(26.99,23.11) ; R4.1 C37.1 ; C57.2 v1(56.52,45.72) ; C61.2 v1(72.71,45.72)